# KiCad board CPU2908CP4.kicad_pcb
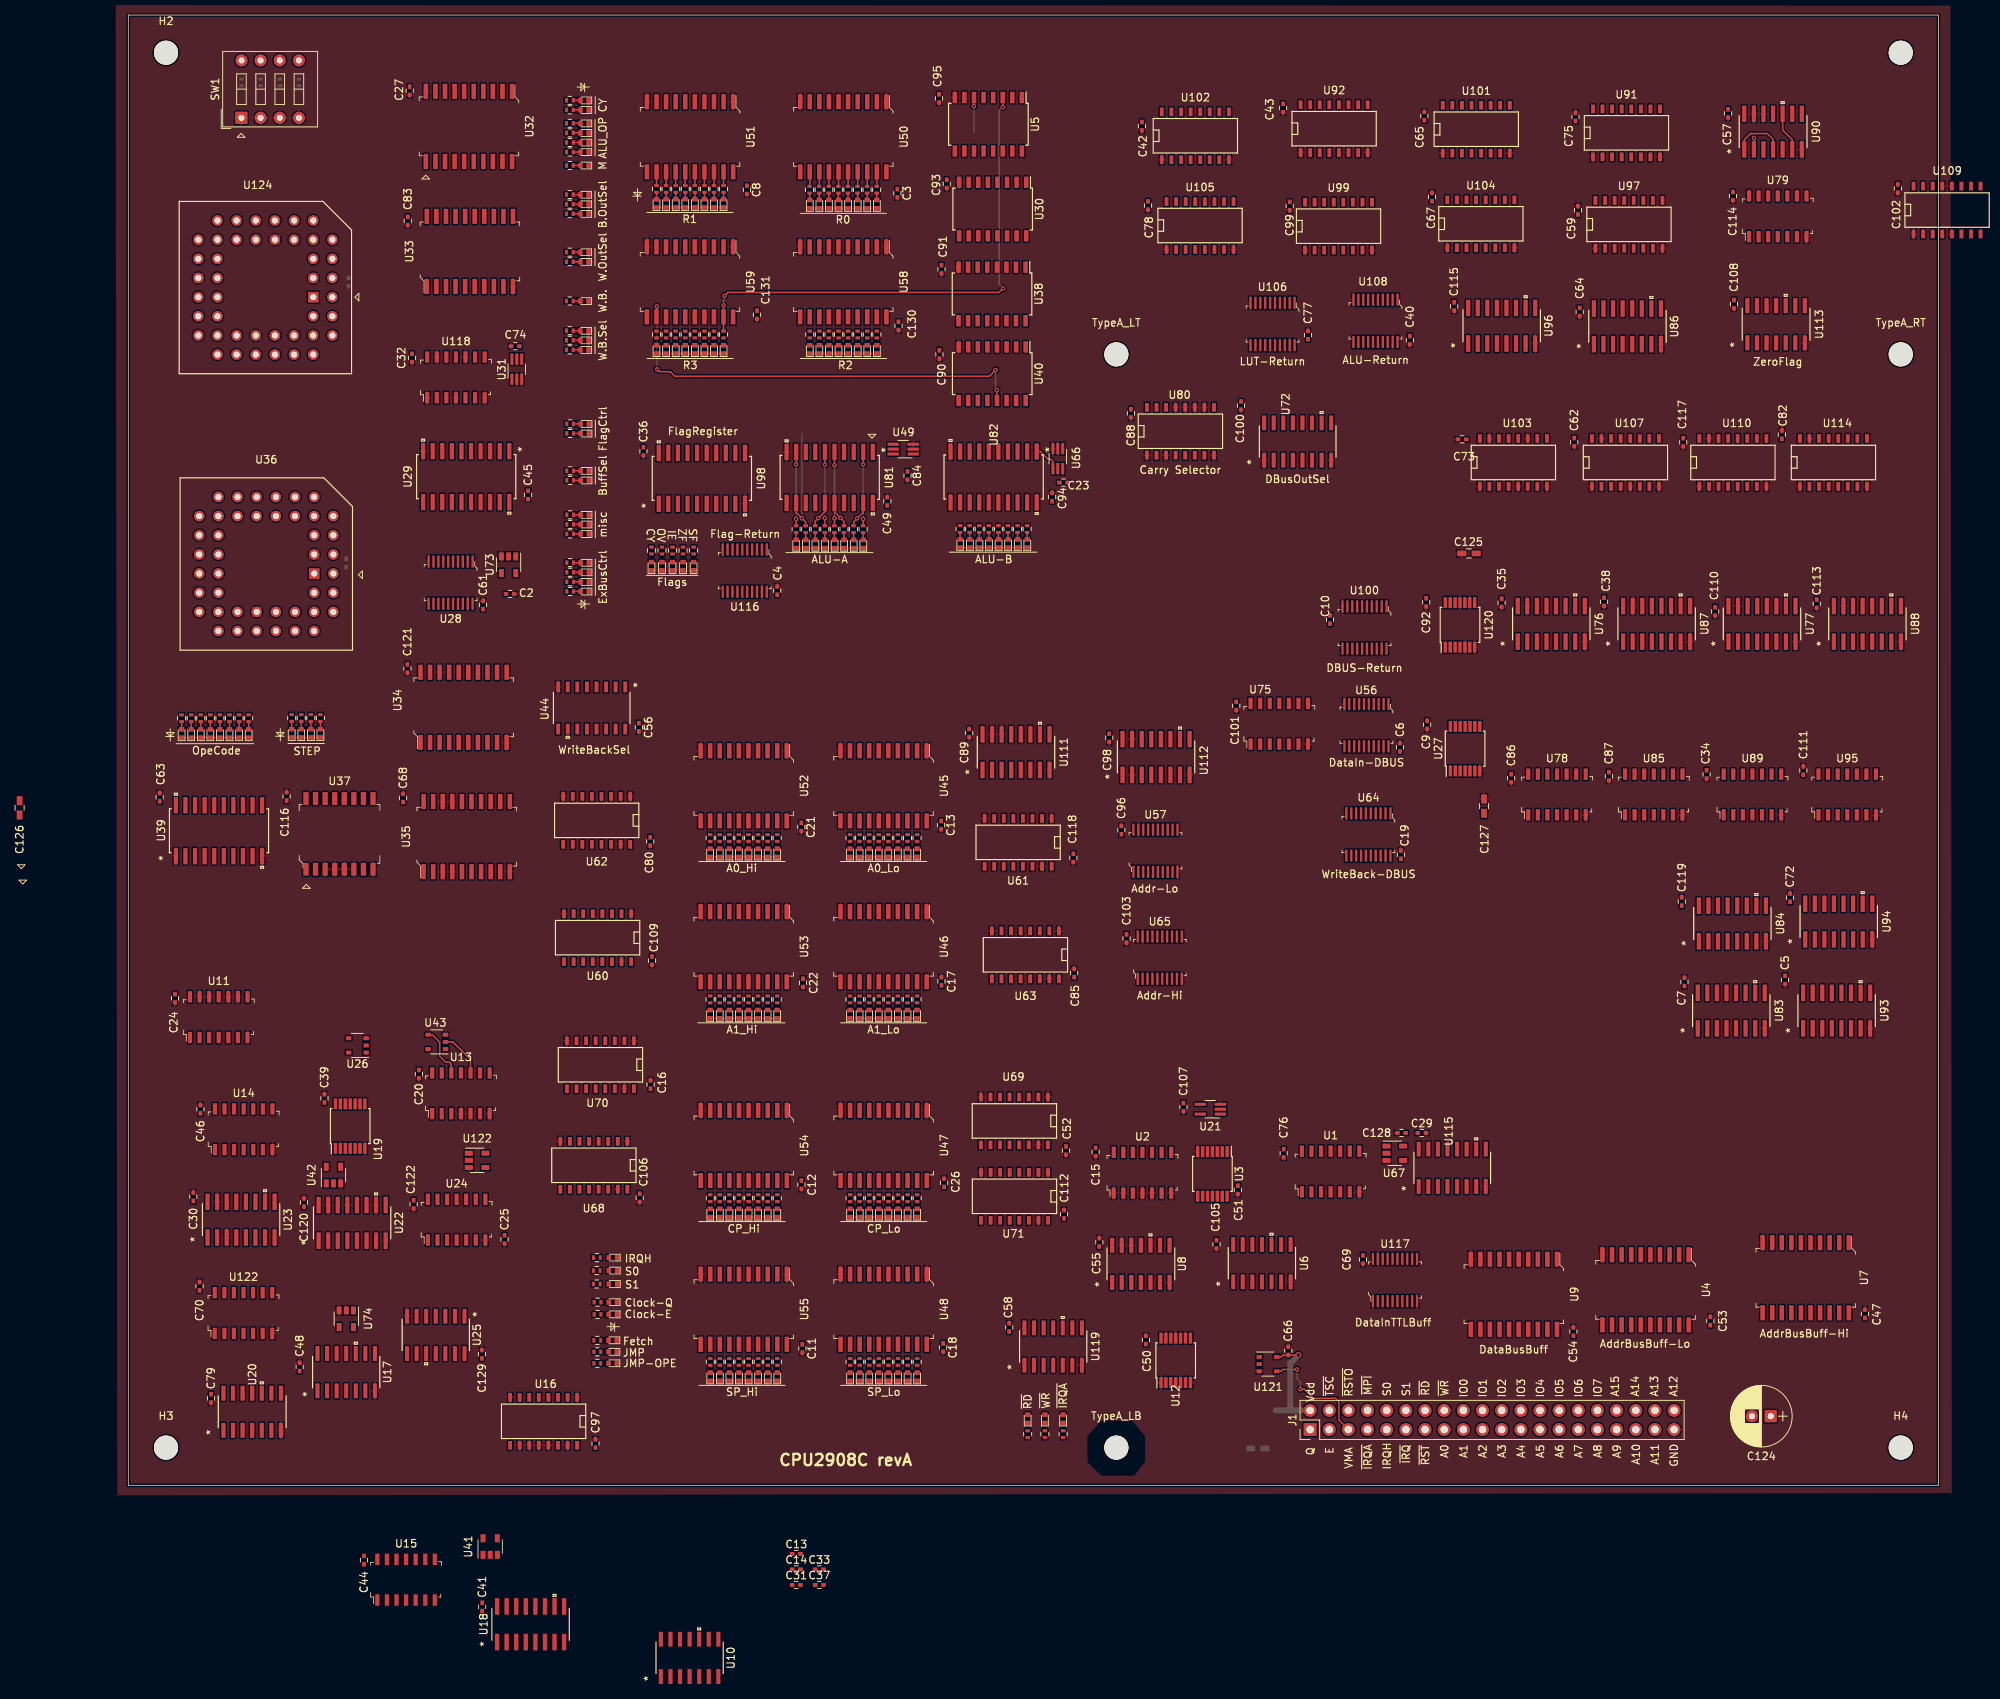
[diagram p0: board, top side]
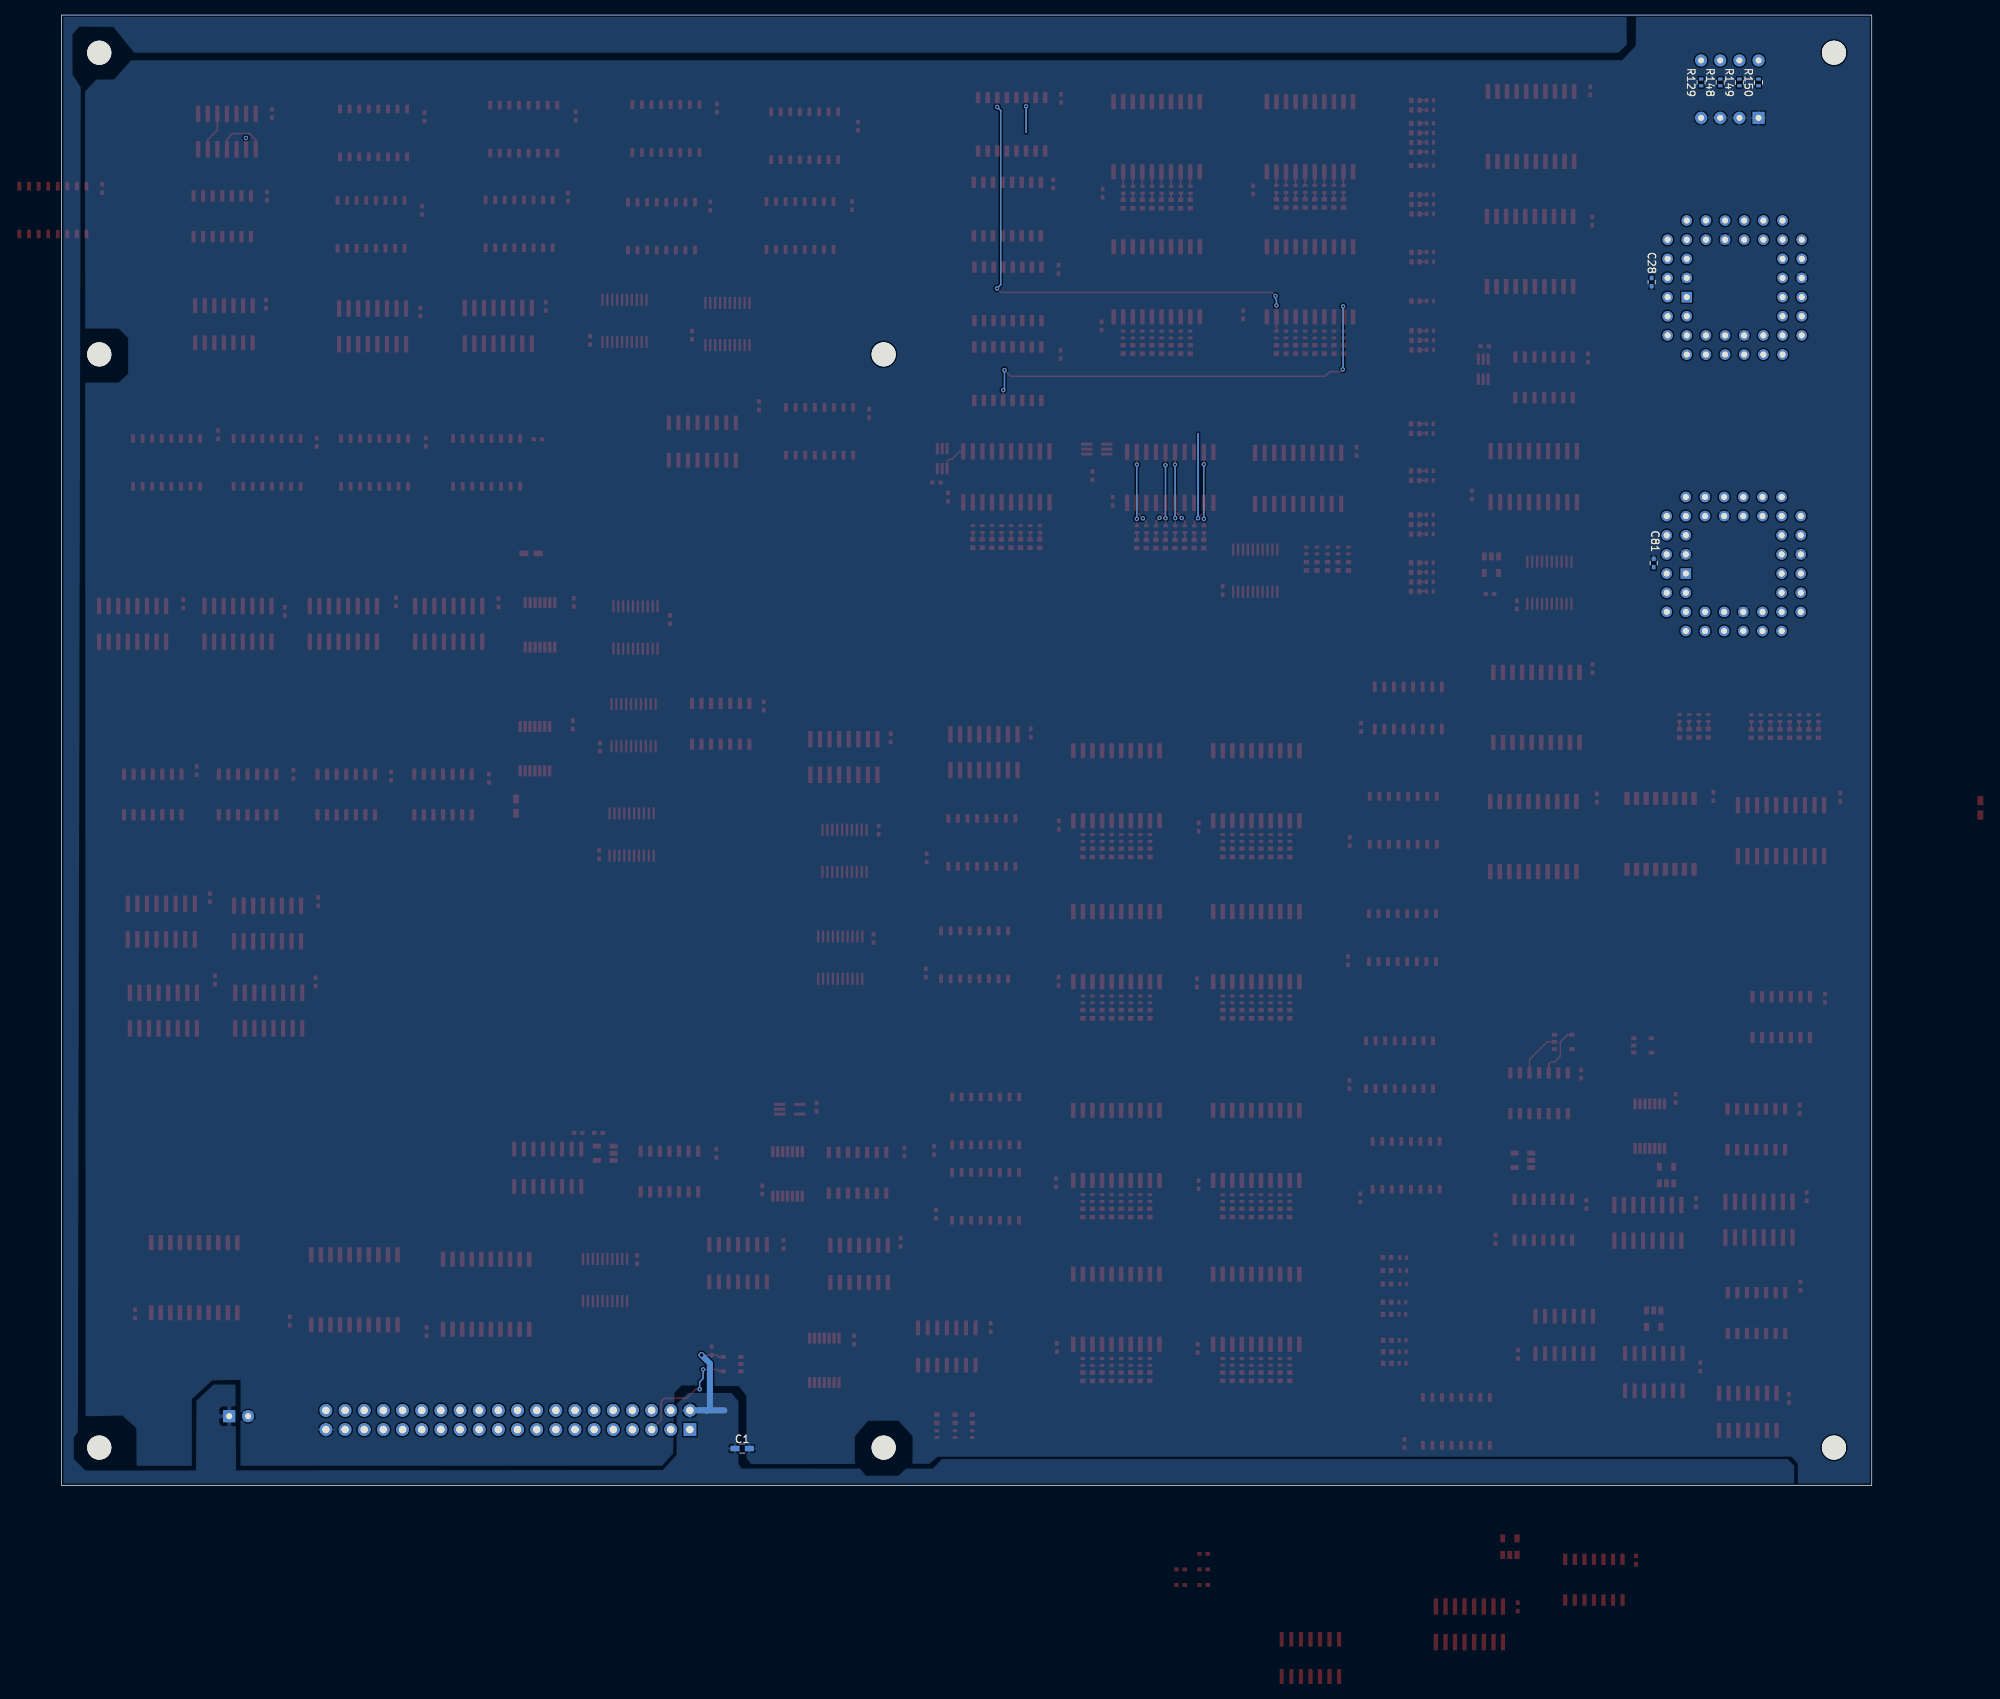
[diagram p1: board, bottom side, seen from below]

Outline 240 x 195 mm; copper layers: Top, Bottom. Coordinates in mm from the lower left corner of the outline.
Outline path: 240,0.01 240,195 0,195 0,0 240,0

## Placement (name value [footprint] x y rotation side)
C1  10uF  [C_0603_HandSoldering]  149.76 4.88 180 bottom
C2  0.1uF  [C_0402]  50.62 118.22 0 top
C3  0.1uF  [C_0402]  101.97 171.37 270 top
C4  0.1uF  [C_0402]  86.04 118.67 90 top
C5  0.1uF  [C_0402]  219.66 67.02 270 top
C6  0.1uF  [C_0402]  168.61 97.89 90 top
C7  0.1uF  [C_0402]  206.32 66.77 90 top
C8  0.1uF  [C_0402]  82.02 171.82 270 top
C9  0.1uF  [C_0402]  172.21 100.86 270 top
C10  0.1uF  [C_0402]  159.33 114.83 90 top
C11  0.1uF  [C_0402]  89.37 18.15 270 top
C12  0.1uF  [C_0402]  89.24 39.87 270 top
C13  0.1uF  [C_0402]  107.77 87.57 270 top
C13#2  0.1uF  [C_0402]  88.57 -9.09 0 top
C14  0.1uF  [C_0402]  88.57 -11.15 0 top
C15  0.1uF  [C_0402]  128.26 44.21 270 top
C16  0.1uF  [C_0402]  69.24 53.16 90 top
C17  0.1uF  [C_0402]  107.81 66.85 90 top
C18  0.1uF  [C_0402]  108.04 18.28 270 top
C19  0.1uF  [C_0402]  168.72 83.65 90 top
C20  0.1uF  [C_0402]  38.53 54.54 270 top
C21  0.1uF  [C_0402]  89.23 87.31 270 top
C22  0.1uF  [C_0402]  89.46 66.64 270 top
C23  0.1uF  [C_0402]  124 132.99 0 top
C24  0.1uF  [C_0402]  6.2 64.6 270 top
C25  0.1uF  [C_0402]  49.89 32.62 270 top
C26  0.1uF  [C_0402]  108.16 40.12 90 top
C27  0.1uF  [C_0402]  37.31 184.95 270 top
C28  0.1uF  [C_0402]  29.18 159.59 270 bottom
C29  0.1uF  [C_0402]  171.5 46.74 0 top
C30  0.1uF  [C_0402]  8.62 38.28 90 top
C31  0.1uF  [C_0402]  88.57 -13.21 0 top
C32  0.1uF  [C_0402]  37.62 149.53 270 top
C33  0.1uF  [C_0402]  91.62 -11.15 0 top
C34  0.1uF  [C_0402]  209.26 94.29 270 top
C35  0.1uF  [C_0402]  182.08 117.05 270 top
C36  0.1uF  [C_0402]  68.3 137.13 270 top
C37  0.1uF  [C_0402]  91.62 -13.21 0 top
C38  0.1uF  [C_0402]  195.67 117.17 270 top
C39  0.1uF  [C_0402]  26.01 51.32 90 top
C40  0.1uF  [C_0402]  169.91 151.87 270 top
C41  0.1uF  [C_0402]  46.93 -16.12 90 top
C42  0.1uF  [C_0402]  134.39 180.26 270 top
C43  0.1uF  [C_0402]  153.11 182.67 270 top
C44  0.1uF  [C_0402]  31.24 -9.92 270 top
C45  0.1uF  [C_0402]  53.01 131.35 270 top
C46  0.1uF  [C_0402]  9.56 49.89 90 top
C47  0.1uF  [C_0402]  230.25 22.75 90 top
C48  0.1uF  [C_0402]  22.72 15.71 90 top
C49  0.1uF  [C_0402]  100.63 130.51 90 top
C50  0.1uF  [C_0402]  134.92 19.28 90 top
C51  0.1uF  [C_0402]  147.1 39.18 270 top
C52  0.1uF  [C_0402]  124.33 44.39 270 top
C53  0.1uF  [C_0402]  209.75 21.79 90 top
C54  0.1uF  [C_0402]  191.6 20.39 90 top
C55  0.1uF  [C_0402]  128.74 32.23 90 top
C56  0.1uF  [C_0402]  67.69 100.53 270 top
C57  0.1uF  [C_0402]  212.12 181.96 270 top
C58  0.1uF  [C_0402]  116.8 20.95 90 top
C59  0.1uF  [C_0402]  192.21 169.11 90 top
C61  0.1uF  [C_0402]  47.04 116.77 90 top
C62  0.1uF  [C_0402]  191.71 138.35 270 top
C63  0.1uF  [C_0402]  4.16 91.27 90 top
C64  0.1uF  [C_0402]  192.43 155.62 270 top
C65  0.1uF  [C_0402]  171.84 181.6 90 top
C66  0.1uF  [C_0402]  153.8 17.83 90 top
C67  0.1uF  [C_0402]  172.86 170.87 90 top
C68  0.1uF  [C_0402]  36.44 91.17 90 top
C69  0.1uF  [C_0402]  163.7 29.95 270 top
C70  0.1uF  [C_0402]  9.45 26.41 90 top
C72  0.1uF  [C_0402]  220.32 77.94 90 top
C73  0.1uF  [C_0402]  176.85 138.73 180 top
C74  0.1uF  [C_0402]  51.31 151.08 180 top
C75  0.1uF  [C_0402]  191.88 181.5 90 top
C76  0.1uF  [C_0402]  153.19 44.04 270 top
C77  0.1uF  [C_0402]  156.41 152.56 90 top
C78  0.1uF  [C_0402]  135.2 169.74 270 top
C79  0.1uF  [C_0402]  10.97 11.53 270 top
C80  0.1uF  [C_0402]  69.2 85.4 270 top
C81  0.1uF  [C_0402]  28.91 122.33 90 bottom
C82  0.1uF  [C_0402]  219.24 139.35 90 top
C83  0.1uF  [C_0402]  37.06 167.68 270 top
C84  0.1uF  [C_0402]  103.31 133.92 270 top
C85  0.1uF  [C_0402]  125.41 67.95 90 top
C86  0.1uF  [C_0402]  183.35 93.78 270 top
C87  0.1uF  [C_0402]  196.3 94.04 270 top
C88  0.1uF  [C_0402]  132.93 142.18 270 top
C89  0.1uF  [C_0402]  111.49 99.78 270 top
C90  0.1uF  [C_0402]  107.54 149.99 270 top
C91  0.1uF  [C_0402]  107.82 161.28 270 top
C92  0.1uF  [C_0402]  172.08 117.1 270 top
C93  0.1uF  [C_0402]  108.52 172.6 270 top
C94  0.1uF  [C_0402]  122.49 131.07 90 top
C95  0.1uF  [C_0402]  107.49 183.95 270 top
C96  0.1uF  [C_0402]  131.67 86.9 90 top
C97  0.1uF  [C_0402]  61.95 5.55 90 top
C98  0.1uF  [C_0402]  130.06 99.14 270 top
C99  0.1uF  [C_0402]  153.98 169.68 270 top
C100  0.1uF  [C_0402]  147.53 143.21 270 top
C101  0.1uF  [C_0402]  146.9 103.37 270 top
C102  0.1uF  [C_0402]  234.62 172 270 top
C103  0.1uF  [C_0402]  132.35 72.52 270 top
C105  0.1uF  [C_0402]  144.28 31.95 270 top
C106  0.1uF  [C_0402]  67.8 38.13 270 top
C107  0.1uF  [C_0402]  139.89 50.16 270 top
C108  0.1uF  [C_0402]  212.89 156.66 270 top
C109  0.1uF  [C_0402]  69.44 69.58 270 top
C110  0.1uF  [C_0402]  210.4 115.9 270 top
C111  0.1uF  [C_0402]  222.08 94.8 90 top
C112  0.1uF  [C_0402]  124.06 35.95 90 top
C113  0.1uF  [C_0402]  223.86 116.92 270 top
C114  0.1uF  [C_0402]  212.75 170.99 270 top
C115  0.1uF  [C_0402]  175.79 156.35 270 top
C116  0.1uF  [C_0402]  20.99 91.38 90 top
C117  0.1uF  [C_0402]  206.16 138.33 270 top
C118  0.1uF  [C_0402]  125.3 83.21 270 top
C119  0.1uF  [C_0402]  205.97 77.44 90 top
C120  0.1uF  [C_0402]  23.29 37.51 90 top
C121  0.1uF  [C_0402]  37.01 108.33 270 top
C122  0.1uF  [C_0402]  37.83 37.27 270 top
C124  47uF  [CP_Radial_D8.0mm_P2.50mm]  217.77 9.17 180 top
C125  10uF  [C_0603_HandSoldering]  177.75 123.6 180 top
C126  10uF  [C_0603_HandSoldering]  -14.41 89.86 270 top
C127  10uF  [C_0603_HandSoldering]  179.74 90.08 90 top
C128  0.1uF  [C_0402]  168.81 46.74 180 top
C129  0.1uF  [C_0402]  46.89 17.39 90 top
C130  0.1uF  [C_0402]  102.12 153.78 270 top
C131  0.1uF  [C_0402]  83.35 155.24 270 top
D1  LED_G  [LED_0402]  60.49 183.68 180 top
D2  LED_G  [LED_0402]  60.49 182.41 180 top
D3  LED_G  [LED_0402]  60.49 180.63 180 top
D4  LED_G  [LED_0402]  60.49 179.36 180 top
D5  LED_G  [LED_0402]  60.49 178.09 180 top
D6  LED_G  [LED_0402]  60.49 176.82 180 top
D7  LED_G  [LED_0402]  60.49 175.04 180 top
D8  LED_G  [LED_0402]  60.48 171.17 180 top
D9  LED_G  [LED_0402]  60.48 169.9 180 top
D10  LED_G  [LED_0402]  60.48 168.63 180 top
D11  LED_G  [LED_0402]  60.48 163.54 180 top
D12  LED_G  [LED_0402]  60.48 162.27 180 top
D13  LED_G  [LED_0402]  60.48 157.06 180 top
D14  LED_G  [LED_0402]  60.48 153.13 180 top
D15  LED_G  [LED_0402]  60.48 151.86 180 top
D16  LED_G  [LED_0402]  60.48 150.59 180 top
D17  LED_G  [LED_0402]  60.52 140.77 180 top
D18  LED_G  [LED_0402]  60.52 139.5 180 top
D19  LED_G  [LED_0402]  60.52 134.55 180 top
D20  LED_G  [LED_0402]  60.52 133.28 180 top
D21  LED_G  [LED_0402]  60.52 128.71 180 top
D22  LED_G  [LED_0402]  60.52 127.44 180 top
D23  LED_G  [LED_0402]  60.52 126.17 180 top
D24  LED_G  [LED_0402]  60.52 122.36 180 top
D25  LED_G  [LED_0402]  60.52 121.09 180 top
D26  LED_G  [LED_0402]  60.52 119.82 180 top
D27  LED_G  [LED_0402]  60.52 118.55 180 top
D28  LED_G  [LED_0402]  69.36 121.9 90 top
D29  LED_G  [LED_0402]  70.76 121.9 90 top
D30  LED_G  [LED_0402]  72.16 121.9 90 top
D31  LED_G  [LED_0402]  73.55 121.9 90 top
D32  LED_G  [LED_0402]  74.95 121.9 90 top
D33  LED_W  [LED_0402]  99.25 169.93 90 top
D34  LED_W  [LED_0402]  97.98 169.93 90 top
D35  LED_W  [LED_0402]  96.71 169.93 90 top
D36  LED_W  [LED_0402]  95.44 169.93 90 top
D37  LED_W  [LED_0402]  94.17 169.93 90 top
D38  LED_W  [LED_0402]  92.9 169.93 90 top
D39  LED_W  [LED_0402]  91.63 169.93 90 top
D40  LED_W  [LED_0402]  90.36 169.93 90 top
D41  LED_W  [LED_0402]  78.93 170.03 90 top
D42  LED_W  [LED_0402]  77.66 170.03 90 top
D43  LED_W  [LED_0402]  76.39 170.03 90 top
D44  LED_W  [LED_0402]  75.12 170.03 90 top
D45  LED_W  [LED_0402]  73.85 170.03 90 top
D46  LED_W  [LED_0402]  72.58 170.03 90 top
D47  LED_W  [LED_0402]  71.31 170.03 90 top
D48  LED_W  [LED_0402]  70.04 170.03 90 top
D49  LED_W  [LED_0402]  99.25 150.66 90 top
D50  LED_W  [LED_0402]  97.98 150.66 90 top
D51  LED_W  [LED_0402]  96.71 150.66 90 top
D52  LED_W  [LED_0402]  95.44 150.66 90 top
D53  LED_W  [LED_0402]  94.17 150.66 90 top
D54  LED_W  [LED_0402]  92.9 150.66 90 top
D55  LED_W  [LED_0402]  91.63 150.66 90 top
D56  LED_W  [LED_0402]  90.36 150.66 90 top
D57  LED_W  [LED_0402]  78.93 150.66 90 top
D58  LED_W  [LED_0402]  77.66 150.66 90 top
D59  LED_W  [LED_0402]  76.39 150.66 90 top
D60  LED_W  [LED_0402]  75.12 150.66 90 top
D61  LED_W  [LED_0402]  73.85 150.66 90 top
D62  LED_W  [LED_0402]  72.58 150.66 90 top
D63  LED_W  [LED_0402]  71.31 150.66 90 top
D64  LED_W  [LED_0402]  70.04 150.66 90 top
D65  LED_W  [LED_0402]  104.58 83.89 90 top
D66  LED_W  [LED_0402]  103.31 83.89 90 top
D67  LED_W  [LED_0402]  102.04 83.89 90 top
D68  LED_W  [LED_0402]  100.77 83.89 90 top
D69  LED_W  [LED_0402]  99.5 83.89 90 top
D70  LED_W  [LED_0402]  98.23 83.89 90 top
D71  LED_W  [LED_0402]  96.96 83.89 90 top
D72  LED_W  [LED_0402]  95.69 83.89 90 top
D73  LED_W  [LED_0402]  86.04 83.89 90 top
D74  LED_W  [LED_0402]  84.77 83.89 90 top
D75  LED_W  [LED_0402]  83.5 83.89 90 top
D76  LED_W  [LED_0402]  82.23 83.89 90 top
D77  LED_W  [LED_0402]  80.96 83.89 90 top
D78  LED_W  [LED_0402]  79.69 83.89 90 top
D79  LED_W  [LED_0402]  78.42 83.89 90 top
D80  LED_W  [LED_0402]  77.15 83.89 90 top
D81  LED_W  [LED_0402]  104.58 62.49 90 top
D82  LED_W  [LED_0402]  103.31 62.49 90 top
D83  LED_W  [LED_0402]  102.04 62.49 90 top
D84  LED_W  [LED_0402]  100.77 62.49 90 top
D85  LED_W  [LED_0402]  99.5 62.49 90 top
D86  LED_W  [LED_0402]  98.23 62.49 90 top
D87  LED_W  [LED_0402]  96.96 62.49 90 top
D88  LED_W  [LED_0402]  95.69 62.49 90 top
D89  LED_W  [LED_0402]  86.04 62.49 90 top
D90  LED_W  [LED_0402]  84.77 62.49 90 top
D91  LED_W  [LED_0402]  83.5 62.49 90 top
D92  LED_W  [LED_0402]  82.23 62.49 90 top
D93  LED_W  [LED_0402]  80.96 62.49 90 top
D94  LED_W  [LED_0402]  79.69 62.49 90 top
D95  LED_W  [LED_0402]  78.42 62.49 90 top
D96  LED_W  [LED_0402]  77.15 62.49 90 top
D97  LED_W  [LED_0402]  104.59 36.12 90 top
D98  LED_W  [LED_0402]  103.32 36.12 90 top
D99  LED_W  [LED_0402]  102.05 36.12 90 top
D100  LED_W  [LED_0402]  100.78 36.12 90 top
D101  LED_W  [LED_0402]  99.51 36.12 90 top
D102  LED_W  [LED_0402]  98.24 36.12 90 top
D103  LED_W  [LED_0402]  96.97 36.12 90 top
D104  LED_W  [LED_0402]  95.7 36.12 90 top
D105  LED_W  [LED_0402]  86.05 36.12 90 top
D106  LED_W  [LED_0402]  84.78 36.12 90 top
D107  LED_W  [LED_0402]  83.51 36.12 90 top
D108  LED_W  [LED_0402]  82.24 36.12 90 top
D109  LED_W  [LED_0402]  80.97 36.12 90 top
D110  LED_W  [LED_0402]  79.7 36.12 90 top
D111  LED_W  [LED_0402]  78.43 36.12 90 top
D112  LED_W  [LED_0402]  77.16 36.12 90 top
D113  LED_W  [LED_0402]  104.59 14.41 90 top
D114  LED_W  [LED_0402]  103.32 14.41 90 top
D115  LED_W  [LED_0402]  102.05 14.41 90 top
D116  LED_W  [LED_0402]  100.78 14.41 90 top
D117  LED_W  [LED_0402]  99.51 14.41 90 top
D118  LED_W  [LED_0402]  98.24 14.41 90 top
D119  LED_W  [LED_0402]  96.97 14.41 90 top
D120  LED_W  [LED_0402]  95.7 14.41 90 top
D121  LED_W  [LED_0402]  86.05 14.41 90 top
D122  LED_W  [LED_0402]  84.78 14.41 90 top
D123  LED_W  [LED_0402]  83.51 14.41 90 top
D124  LED_W  [LED_0402]  82.24 14.41 90 top
D125  LED_W  [LED_0402]  80.97 14.41 90 top
D126  LED_W  [LED_0402]  79.7 14.41 90 top
D127  LED_W  [LED_0402]  78.43 14.41 90 top
D128  LED_W  [LED_0402]  77.16 14.41 90 top
D129  LED_W  [LED_0402]  97.46 124.85 90 top
D130  LED_W  [LED_0402]  96.19 124.85 90 top
D131  LED_W  [LED_0402]  94.92 124.85 90 top
D132  LED_W  [LED_0402]  93.65 124.85 90 top
D133  LED_W  [LED_0402]  92.38 124.85 90 top
D134  LED_W  [LED_0402]  91.11 124.85 90 top
D135  LED_W  [LED_0402]  89.84 124.85 90 top
D136  LED_W  [LED_0402]  88.57 124.85 90 top
D137  LED_W  [LED_0402]  119.2 124.91 90 top
D138  LED_W  [LED_0402]  117.93 124.91 90 top
D139  LED_W  [LED_0402]  116.66 124.91 90 top
D140  LED_W  [LED_0402]  115.39 124.91 90 top
D141  LED_W  [LED_0402]  114.12 124.91 90 top
D142  LED_W  [LED_0402]  112.85 124.91 90 top
D143  LED_W  [LED_0402]  111.58 124.91 90 top
D144  LED_W  [LED_0402]  110.31 124.91 90 top
D145  LED_G  [LED_0402]  123.94 8.82 90 top
D146  LED_G  [LED_0402]  121.53 8.82 90 top
D147  LED_G  [LED_0402]  119.24 8.82 90 top
D148  LED_G  [LED_0402]  25.47 99.74 90 top
D149  LED_G  [LED_0402]  24.2 99.74 90 top
D150  LED_G  [LED_0402]  22.93 99.74 90 top
D151  LED_G  [LED_0402]  21.66 99.74 90 top
D152  LED_G  [LED_0402]  15.96 99.71 90 top
D153  LED_G  [LED_0402]  14.69 99.71 90 top
D154  LED_G  [LED_0402]  13.42 99.71 90 top
D155  LED_G  [LED_0402]  12.15 99.71 90 top
D156  LED_G  [LED_0402]  10.88 99.71 90 top
D157  LED_G  [LED_0402]  9.61 99.71 90 top
D158  LED_G  [LED_0402]  8.34 99.71 90 top
D159  LED_G  [LED_0402]  7.07 99.71 90 top
D160  LED_G  [LED_0402]  64.25 24.29 180 top
D161  LED_G  [LED_0402]  64.25 22.67 180 top
D182  LED_W  [LED_0402]  64.22 17.71 180 top
D183  LED_W  [LED_0402]  64.22 16.18 180 top
D184  LED_W  [LED_0402]  64.27 30.2 180 top
D185  LED_W  [LED_0402]  64.22 19.23 180 top
H1  HOLE_RT  [MountingHole_3.2mm_M3]  235 190.01 0 top
H2  HOLE_LT  [MountingHole_3.2mm_M3]  5 190.01 0 top
H3  HOLE_LB  [MountingHole_3.2mm_M3]  5 5 0 top
H4  HOLE_RB  [MountingHole_3.2mm_M3]  235 5 0 top
J1  Conn_02x20_Odd_Even  [Pin_Header_Straight_2x20_Pitch2.54mm]  156.69 7.4 90 top
R1  47K  [R_0402]  58.55 183.69 180 top
R2  47K  [R_0402]  58.55 182.42 180 top
R3  47K  [R_0402]  58.55 180.65 180 top
R4  47K  [R_0402]  58.55 179.38 180 top
R5  47K  [R_0402]  58.55 178.11 180 top
R6  47K  [R_0402]  58.55 176.84 180 top
R7  47K  [R_0402]  58.55 175.06 180 top
R8  47K  [R_0402]  58.54 171.19 180 top
R9  47K  [R_0402]  58.54 169.92 180 top
R10  47K  [R_0402]  58.54 168.65 180 top
R11  47K  [R_0402]  58.54 163.55 180 top
R12  47K  [R_0402]  58.54 162.28 180 top
R13  47K  [R_0402]  58.54 157.08 180 top
R14  47K  [R_0402]  58.54 153.14 180 top
R15  47K  [R_0402]  58.54 151.87 180 top
R16  47K  [R_0402]  58.54 150.6 180 top
R17  47K  [R_0402]  58.58 140.79 180 top
R18  47K  [R_0402]  58.58 139.52 180 top
R19  47K  [R_0402]  58.58 134.56 180 top
R20  47K  [R_0402]  58.58 133.29 180 top
R21  47K  [R_0402]  58.58 128.72 180 top
R22  47K  [R_0402]  58.58 127.45 180 top
R23  47K  [R_0402]  58.58 126.18 180 top
R24  47K  [R_0402]  58.58 122.37 180 top
R25  47K  [R_0402]  58.58 121.1 180 top
R26  47K  [R_0402]  58.58 119.83 180 top
R27  47K  [R_0402]  58.58 118.56 180 top
R28  47K  [R_0402]  69.36 123.98 90 top
R29  47K  [R_0402]  70.76 123.98 90 top
R30  47K  [R_0402]  72.16 123.98 90 top
R31  47K  [R_0402]  73.55 123.98 90 top
R32  47K  [R_0402]  74.95 123.98 90 top
R33  47K  [R_0402]  99.22 171.84 90 top
R34  47K  [R_0402]  97.95 171.84 90 top
R35  47K  [R_0402]  96.68 171.84 90 top
R36  47K  [R_0402]  95.41 171.84 90 top
R37  47K  [R_0402]  94.14 171.84 90 top
R38  47K  [R_0402]  92.87 171.84 90 top
R39  47K  [R_0402]  91.6 171.84 90 top
R40  47K  [R_0402]  90.33 171.84 90 top
R41  47K  [R_0402]  78.93 171.94 90 top
R42  47K  [R_0402]  77.66 171.94 90 top
R43  47K  [R_0402]  76.39 171.94 90 top
R44  47K  [R_0402]  75.12 171.94 90 top
R45  47K  [R_0402]  73.85 171.94 90 top
R46  47K  [R_0402]  72.58 171.94 90 top
R47  47K  [R_0402]  71.31 171.94 90 top
R48  47K  [R_0402]  70.04 171.94 90 top
R49  47K  [R_0402]  99.25 152.63 90 top
R50  47K  [R_0402]  97.98 152.63 90 top
R51  47K  [R_0402]  96.71 152.63 90 top
R52  47K  [R_0402]  95.44 152.63 90 top
R53  47K  [R_0402]  94.17 152.63 90 top
R54  47K  [R_0402]  92.9 152.63 90 top
R55  47K  [R_0402]  91.63 152.63 90 top
R56  47K  [R_0402]  90.36 152.63 90 top
R57  47K  [R_0402]  78.93 152.63 90 top
R58  47K  [R_0402]  77.66 152.63 90 top
R59  47K  [R_0402]  76.39 152.63 90 top
R60  47K  [R_0402]  75.12 152.63 90 top
R61  47K  [R_0402]  73.85 152.63 90 top
R62  47K  [R_0402]  72.58 152.63 90 top
R63  47K  [R_0402]  71.31 152.63 90 top
R64  47K  [R_0402]  70.04 152.63 90 top
R65  47K  [R_0402]  104.58 85.85 90 top
R66  47K  [R_0402]  103.31 85.85 90 top
R67  47K  [R_0402]  102.04 85.85 90 top
R68  47K  [R_0402]  100.77 85.85 90 top
R69  47K  [R_0402]  99.5 85.85 90 top
R70  47K  [R_0402]  98.23 85.85 90 top
R71  47K  [R_0402]  96.96 85.85 90 top
R72  47K  [R_0402]  95.69 85.85 90 top
R73  47K  [R_0402]  86.04 85.85 90 top
R74  47K  [R_0402]  84.77 85.85 90 top
R75  47K  [R_0402]  83.5 85.85 90 top
R76  47K  [R_0402]  82.23 85.85 90 top
R77  47K  [R_0402]  80.96 85.85 90 top
R78  47K  [R_0402]  79.69 85.85 90 top
R79  47K  [R_0402]  78.42 85.85 90 top
R80  47K  [R_0402]  77.15 85.85 90 top
R81  47K  [R_0402]  104.58 64.45 90 top
R82  47K  [R_0402]  103.31 64.45 90 top
R83  47K  [R_0402]  102.04 64.45 90 top
R84  47K  [R_0402]  100.77 64.45 90 top
R85  47K  [R_0402]  99.5 64.45 90 top
R86  47K  [R_0402]  98.23 64.45 90 top
R87  47K  [R_0402]  96.96 64.45 90 top
R88  47K  [R_0402]  95.69 64.45 90 top
R89  47K  [R_0402]  86.04 64.45 90 top
R90  47K  [R_0402]  84.77 64.45 90 top
R91  47K  [R_0402]  83.5 64.45 90 top
R92  47K  [R_0402]  82.23 64.45 90 top
R93  47K  [R_0402]  80.96 64.45 90 top
R94  47K  [R_0402]  79.69 64.45 90 top
R95  47K  [R_0402]  78.42 64.45 90 top
R96  47K  [R_0402]  77.15 64.45 90 top
R97  47K  [R_0402]  104.59 38.09 90 top
R98  47K  [R_0402]  103.32 38.09 90 top
R99  47K  [R_0402]  102.05 38.09 90 top
R100  47K  [R_0402]  100.78 38.09 90 top
R101  47K  [R_0402]  99.51 38.09 90 top
R102  47K  [R_0402]  98.24 38.09 90 top
R103  47K  [R_0402]  96.97 38.09 90 top
R104  47K  [R_0402]  95.7 38.09 90 top
R105  47K  [R_0402]  86.05 38.09 90 top
R106  47K  [R_0402]  84.78 38.09 90 top
R107  47K  [R_0402]  83.51 38.09 90 top
R108  47K  [R_0402]  82.24 38.09 90 top
R109  47K  [R_0402]  80.97 38.09 90 top
R110  47K  [R_0402]  79.7 38.09 90 top
R111  47K  [R_0402]  78.43 38.09 90 top
R112  47K  [R_0402]  77.16 38.09 90 top
R113  47K  [R_0402]  104.59 16.37 90 top
R114  47K  [R_0402]  103.32 16.37 90 top
R115  47K  [R_0402]  102.05 16.37 90 top
R116  47K  [R_0402]  100.78 16.37 90 top
R117  47K  [R_0402]  99.51 16.37 90 top
R118  47K  [R_0402]  98.24 16.37 90 top
R119  47K  [R_0402]  96.97 16.37 90 top
R120  47K  [R_0402]  95.7 16.37 90 top
R121  47K  [R_0402]  86.05 16.37 90 top
R122  47K  [R_0402]  84.78 16.37 90 top
R123  47K  [R_0402]  83.51 16.37 90 top
R124  47K  [R_0402]  82.24 16.37 90 top
R125  47K  [R_0402]  80.97 16.37 90 top
R126  47K  [R_0402]  79.7 16.37 90 top
R127  47K  [R_0402]  78.43 16.37 90 top
R128  47K  [R_0402]  77.16 16.37 90 top
R129  10K  [R_0402]  22.62 186.07 90 bottom
R130  47K  [R_0402]  97.43 126.81 90 top
R131  47K  [R_0402]  96.16 126.81 90 top
R132  47K  [R_0402]  94.89 126.81 90 top